# KiCad board issue1M_expansionboardA.kicad_pcb
title: fpga board expansion test; rev: 3
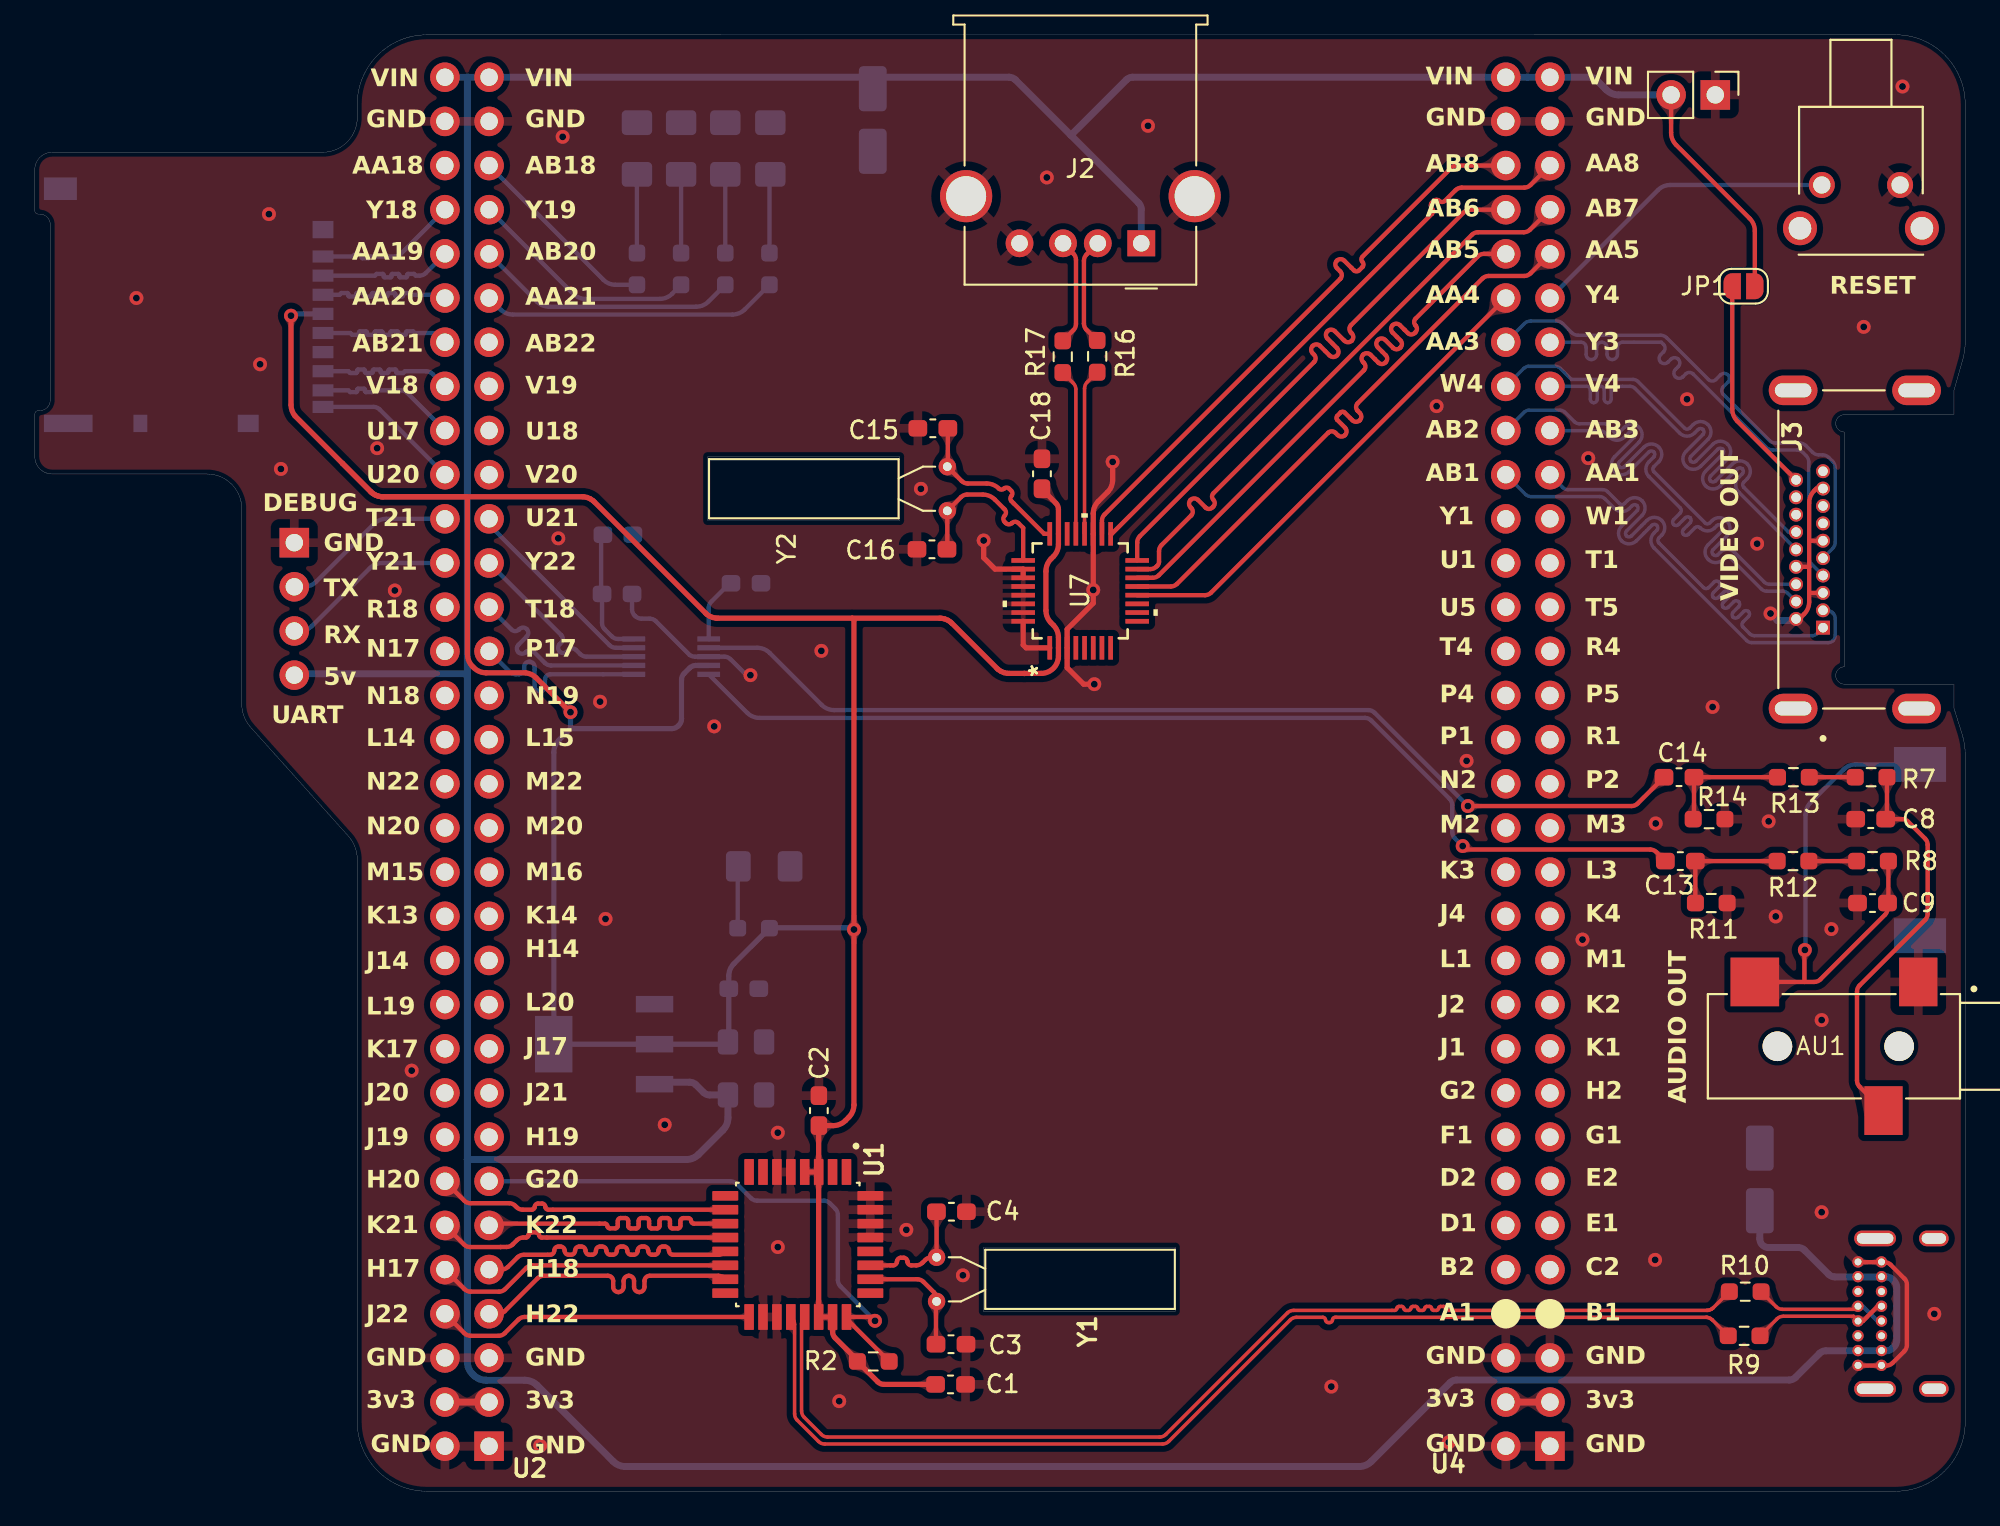
[diagram p0: board, top side]
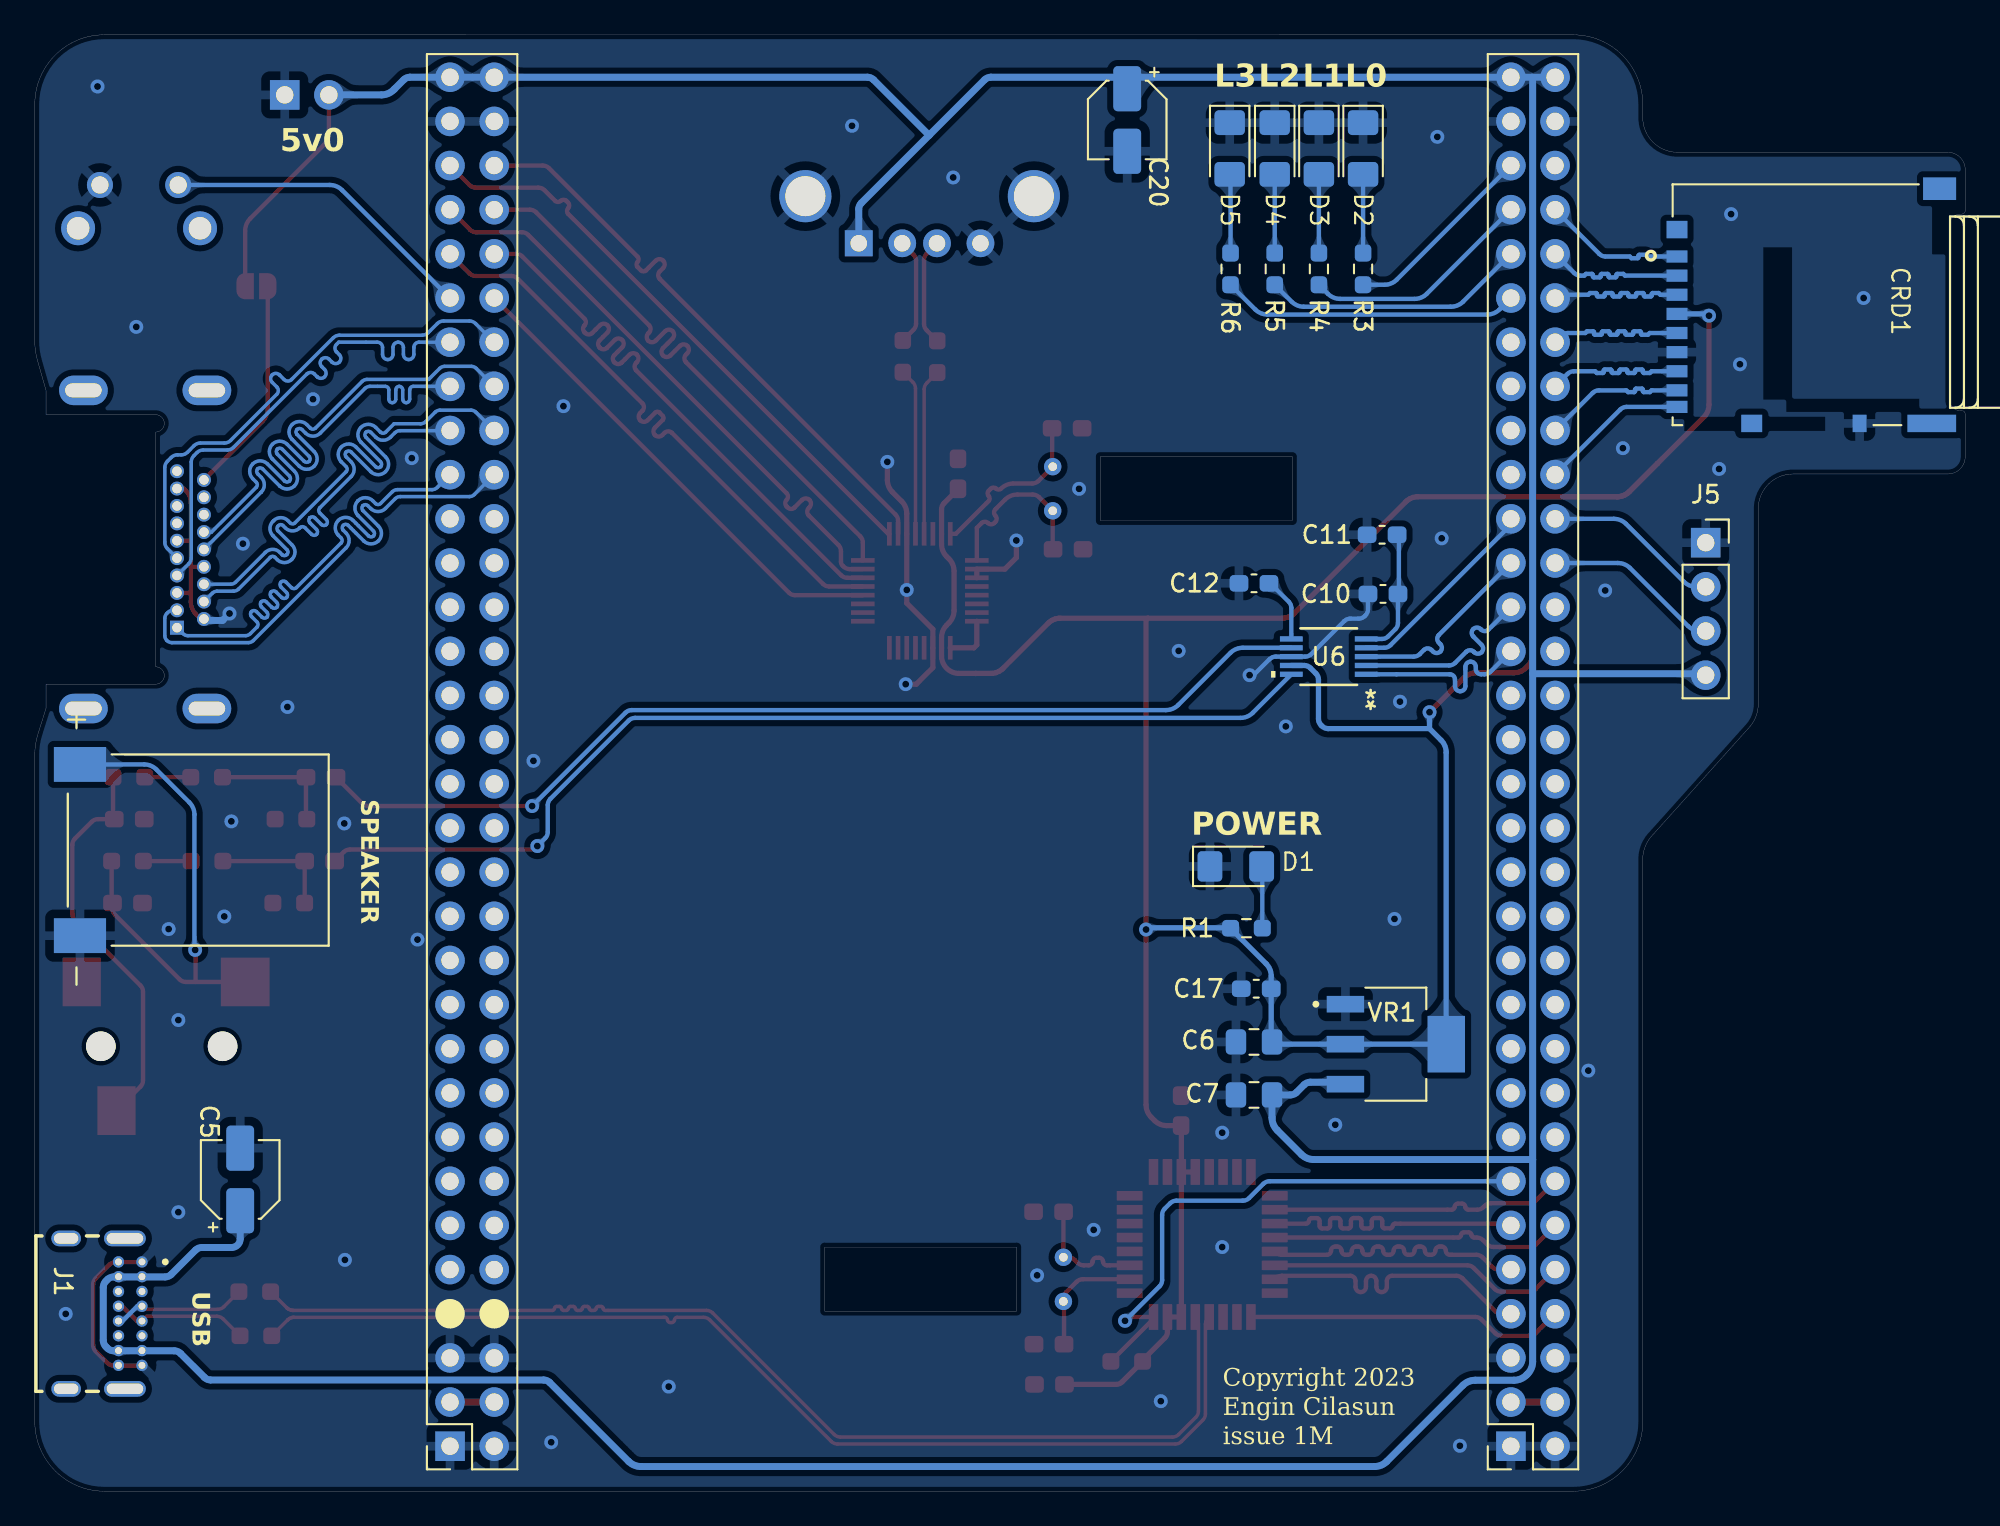
[diagram p1: board, bottom side, seen from below]

Outline 111 x 83.77 mm; copper layers: Top, Bottom. Coordinates in mm from the lower left corner of the outline.
Outline path: 49.73,55.83 38.68,55.83 38.68,59.51 49.73,59.51 closed ; 65.58,10.36 54.53,10.36 54.53,14.04 65.58,14.04 closed ; 110.35,63.33 110.84,65.04 arc(110.96,65.59) 111,66.14 111,79.77 arc(109.83,82.6) 107,83.77 22.54,83.77 arc(19.71,82.6) 18.54,79.77 18.54,79.01 arc(17.96,77.6) 16.54,77.01 1,77.01 arc(0.29,76.72) 0,76.01 0,73.65 arc(0.06,73.51) 0.2,73.45 0.29,73.45 arc(0.71,73.28) 0.89,72.85 0.89,62.75 arc(0.71,62.33) 0.29,62.15 0.2,62.15 arc(0.06,62.09) 0,61.95 0,59.51 arc(0.29,58.8) 1,58.51 9.9,58.51 arc(11.32,57.92) 11.9,56.51 11.9,45.27 arc(12.03,44.56) 12.41,43.94 17.97,37.75 arc(18.39,37.11) 18.54,36.35 18.54,4 arc(19.71,1.17) 22.54,0 107,0 arc(109.83,1.17) 111,4 111,42.36 arc(110.95,42.97) 110.81,43.56 110.35,45.03
Stack: Top 0.035mm / dielectric 1.51mm FR4 er 4.5 / Bottom 0.035mm

## Placement (name value [footprint] x y rotation side)
AU1  SJ-3523-SMT-TR  [CUI_SJ-3523-SMT-TR]  107.2 25.59 180 top
C1  1uf  [C_0603_1608Metric_Pad1.08x0.95mm_HandSolder]  52.65 6.14 180 top
C2  0.1uf  [C_0603_1608Metric_Pad1.08x0.95mm_HandSolder]  45.09 21.89 270 top
C3  18pf  [C_0603_1608Metric_Pad1.08x0.95mm_HandSolder]  52.68 8.46 180 top
C4  18pf  [C_0603_1608Metric_Pad1.08x0.95mm_HandSolder]  52.71 16.08 180 top
C5  4.7uf  [CP_Elec_4x5.4]  99.19 17.93 90 bottom
C6  10uf  [C_0805_2012Metric_Pad1.18x1.45mm_HandSolder]  40.89 25.84 0 bottom
C7  10uf  [C_0805_2012Metric_Pad1.18x1.45mm_HandSolder]  40.89 22.79 0 bottom
C8  1uf  [C_0603_1608Metric_Pad1.08x0.95mm_HandSolder]  105.56 38.66 0 top
C9  1uf  [C_0603_1608Metric_Pad1.08x0.95mm_HandSolder]  105.67 33.83 180 top
C10  0.1uf  [C_0603_1608Metric_Pad1.08x0.95mm_HandSolder]  33.48 51.61 0 bottom
C11  3.3uf  [C_0603_1608Metric_Pad1.08x0.95mm_HandSolder]  33.53 55.01 0 bottom
C12  10uf  [C_0603_1608Metric_Pad1.08x0.95mm_HandSolder]  40.9 52.22 0 bottom
C13  3.3uf  [C_0603_1608Metric_Pad1.08x0.95mm_HandSolder]  94.62 36.24 0 top
C14  3.3uf  [C_0603_1608Metric_Pad1.08x0.95mm_HandSolder]  94.54 41.07 0 top
C15  18pf  [C_0603_1608Metric_Pad1.08x0.95mm_HandSolder]  51.64 61.14 0 top
C16  18pf  [C_0603_1608Metric_Pad1.08x0.95mm_HandSolder]  51.59 54.18 0 top
C17  1uf  [C_0603_1608Metric_Pad1.08x0.95mm_HandSolder]  40.77 28.9 180 bottom
C18  0.1uf  [C_0603_1608Metric_Pad1.08x0.95mm_HandSolder]  57.91 58.52 270 top
C20  4.7uf  [CP_Elec_4x5.4]  48.18 78.87 270 bottom
CRD1  DM3AT-SF-PEJM5  [HRS_DM3AT-SF-PEJM5]  16.57 67.82 90 bottom
D1  LED  [LED_1206_3216Metric_Pad1.42x1.75mm_HandSolder]  41.94 35.94 180 bottom
D2  LED  [LED_1206_3216Metric_Pad1.42x1.75mm_HandSolder]  34.62 77.23 270 bottom
D3  LED  [LED_1206_3216Metric_Pad1.42x1.75mm_HandSolder]  37.16 77.23 270 bottom
D4  LED  [LED_1206_3216Metric_Pad1.42x1.75mm_HandSolder]  39.7 77.23 270 bottom
D5  LED  [LED_1206_3216Metric_Pad1.42x1.75mm_HandSolder]  42.29 77.23 270 bottom
J1  USB_C_Receptacle  [GCT_USB4085-GF-A_REVA4]  109.19 10.22 270 bottom
J2  USB_A_Stacked  [USB_A_Molex_67643_Horizontal]  63.62 71.78 180 top
J3  HDMI_A  [CUI_HD02-19-M-MSMT-TR]  102.82 49.67 90 top
J4  FAN  [PinHeader_1x02_P2.54mm_Vertical]  96.63 80.31 270 top
J5  DEBUG  [PinSocket_1x04_P2.54mm_Vertical]  14.92 54.56 180 bottom
JP1  Jumper_2_Open  [SolderJumper-2_P1.3mm_Open_RoundedPad1.0x1.5mm]  98.25 69.31 0 top
LSRIGHT1  AS01508MS-SC11-WP-R  [SPKR_AS01508MS-SC11-WP-R]  101.6 36.88 270 bottom
R1  330Ohm  [R_0603_1608Metric_Pad0.98x0.95mm_HandSolder]  41.33 32.38 180 bottom
R2  10KOhm  [R_0603_1608Metric_Pad0.98x0.95mm_HandSolder]  48.21 7.47 0 top
R3  33Ohm  [R_0603_1608Metric_Pad0.98x0.95mm_HandSolder]  34.62 70.3 90 bottom
R4  33Ohm  [R_0603_1608Metric_Pad0.98x0.95mm_HandSolder]  37.16 70.3 90 bottom
R5  33Ohm  [R_0603_1608Metric_Pad0.98x0.95mm_HandSolder]  39.7 70.3 90 bottom
R6  33Ohm  [R_0603_1608Metric_Pad0.98x0.95mm_HandSolder]  42.24 70.3 90 bottom
R7  33Ohm  [R_0603_1608Metric_Pad0.98x0.95mm_HandSolder]  105.59 41.07 0 top
R8  33Ohm  [R_0603_1608Metric_Pad0.98x0.95mm_HandSolder]  105.67 36.24 0 top
R9  33Ohm  [R_0603_1608Metric_Pad0.98x0.95mm_HandSolder]  98.29 8.94 180 top
R10  33Ohm  [R_0603_1608Metric_Pad0.98x0.95mm_HandSolder]  98.35 11.48 180 top
R11  10KOhm  [R_0603_1608Metric_Pad0.98x0.95mm_HandSolder]  96.4 33.83 0 top
R12  470Ohm  [R_0603_1608Metric_Pad0.98x0.95mm_HandSolder]  101.09 36.24 0 top
R13  470Ohm  [R_0603_1608Metric_Pad0.98x0.95mm_HandSolder]  101.12 41.07 0 top
R14  10KOhm  [R_0603_1608Metric_Pad0.98x0.95mm_HandSolder]  96.27 38.66 0 top
R16  33Ohm  [R_0603_1608Metric_Pad0.98x0.95mm_HandSolder]  59.11 65.25 270 top
R17  33Ohm  [R_0603_1608Metric_Pad0.98x0.95mm_HandSolder]  61.09 65.28 270 top
RESETN1  SW_Push  [SW_1-1825027-1]  105 75.13 180 top
U1  MAX3420EECJ  [QFP80P900X900X160-32N]  43.87 14.19 270 top
U2  GPIO_U2  [PinSocket_2x32_P2.54mm_Vertical]  26.12 2.59 0 bottom
U4  GPIO_U4  [PinSocket_2x32_P2.54mm_Vertical#2]  87.12 2.59 0 bottom
U6  CS4344-CZZR  [CIR_3TSSOP-10]  36.6 48 0 bottom
U7  MAX3421EEHJ+T  [21-0110-C_90-0149-32L_MXM]  60.11 51.79 90 top
VR1  LM1117MPX-3.3/NOPB  [VREG_LM1117MPX-3.3_NOPB]  32.74 25.71 180 bottom
Y1  Crystal  [Crystal_AT310_D3.0mm_L10.0mm_Horizontal]  51.85 10.92 90 top
Y2  Crystal  [Crystal_AT310_D3.0mm_L10.0mm_Horizontal]  52.47 58.93 270 top

## Library data of the parts
AU1 = -: MF: CUI Inc; STANDARD: Manufacturer recommendations
C1-C4 C6-C10 C15-C18 = -: Description: Unpolarized capacitor
C5 C20 = -: Description: Polarized capacitor, small US symbol
C11-C14 = -: Description: Polarized capacitor, US symbol
CRD1 = -: AVAILABILITY: Unavailable; DESCRIPTION: DM3 RA SMT microSD memory card push/push; MF: Hirose; PACKAGE: None; PRICE: None
D1-D5 = -: Description: Light emitting diode
J1 = -: Description: USB Full-Featured Type-C Receptacle connector
J2 = -: Description: USB Type A connector
J3 = -: Description: HDMI type A connector
J4 = -: Description: Generic connector, single row, 01x02, script generated (kicad-library-utils/schlib/autogen/connector/)
J5 = -: Description: Generic connector, single row, 01x04, script generated
JP1 = -: Description: Jumper, 2-pole, open
LSRIGHT1 = -: MANUFACTURER: Pui Audio; MAXIMUM_PACKAGE_HEIGHT: 3.7 mm; PARTREV: 11/20/2017; STANDARD: Manufacturer Recommendations
R1-R14 R16 R17 = -: Description: Resistor
RESETN1 = -: MANUFACTURER: TE Connectivity; PARTREV: G4; STANDARD: Manufacturer Recommednation
U1 = -: AVAILABILITY: Unavailable; DESCRIPTION: Usb Peripheral Controller w/Spi Interfac; MF: Maxim Integrated; PACKAGE: LQFP-32 Maxim; PRICE: None
U2 U4 = -: Description: Generic connector, double row, 02x32, odd/even pin numbering scheme (row 1 odd numbers, row 2 even numbers), script generated (kicad-library-utils/schlib/autogen/connector/)
VR1 = -: MANUFACTURER: Texas Instruments; MAXIMUM_PACKAGE_HEIGHT: 1.80 mm; PARTREV: O; STANDARD: Manufacturer Recommendation
Y1 Y2 = -: Description: Two pin crystal

## Footprints (pads in the part's own frame, mm; a bottom-side part is the same pattern mirrored in y, then rotated)
21-0110-C_90-0149-32L_MXM
  rect 1.356x0.27 smd: 1(-3.278,1.75) 2(-3.278,1.25) 3(-3.278,0.75) 4(-3.278,0.25) 5(-3.278,-0.25) 6(-3.278,-0.75) 7(-3.278,-1.25) 8(-3.278,-1.75) 17(3.278,-1.75) 18(3.278,-1.25) 19(3.278,-0.75) 20(3.278,-0.25) 21(3.278,0.25) 22(3.278,0.75) 23(3.278,1.25) 24(3.278,1.75)
  rect 0.27x1.356 smd: 9(-1.75,-3.278) 10(-1.25,-3.278) 11(-0.75,-3.278) 12(-0.25,-3.278) 13(0.25,-3.278) 14(0.75,-3.278) 15(1.25,-3.278) 16(1.75,-3.278) 25(1.75,3.278) 26(1.25,3.278) 27(0.75,3.278) 28(0.25,3.278) 29(-0.25,3.278) 30(-0.75,3.278) 31(-1.25,3.278) 32(-1.75,3.278)
C_0603_1608Metric_Pad1.08x0.95mm_HandSolder
  rrect 1.075x0.95 smd: 1(-0.863,0) 2(0.863,0)
C_0805_2012Metric_Pad1.18x1.45mm_HandSolder
  rrect 1.175x1.45 smd: 1(-1.038,0) 2(1.038,0)
CIR_3TSSOP-10
  rect 1.308x0.305 smd: 1(-2.153,1.016) 2(-2.153,0.508) 3(-2.153,0) 4(-2.153,-0.508) 5(-2.153,-1.016) 6(2.153,-1.016) 7(2.153,-0.508) 8(2.153,0) 9(2.153,0.508) 10(2.153,1.016)
CP_Elec_4x5.4
  rrect 2.6x1.6 smd: 1(-1.8,0) 2(1.8,0)
Crystal_AT310_D3.0mm_L10.0mm_Horizontal
  round 1 hole 0.5: 1(0,0) 2(2.54,0)
CUI_HD02-19-M-MSMT-TR
  rect 0.8x0.8 hole 0.55: 1(0,0)
  round 0.8 hole 0.55: 2(0.5,1.55) 3(1,0) 4(1.5,1.55) 5(2,0) 6(2.5,1.55) 7(3,0) 8(3.5,1.55) 9(4,0) 10(4.5,1.55) 11(5,0) 12(5.5,1.55) 13(6,0) 14(6.5,1.55) 15(7,0) 16(7.5,1.55) 17(8,0) 18(8.5,1.55) 19(9,0)
  oval 1.7x2.8 hole 0.8x2.1: S1(13.65,1.72) S2(-4.65,1.72) S3(-4.65,-5.38) S4(13.65,-5.38)
CUI_SJ-3523-SMT-TR
  round 1.7 hole 1.7 unplated: (0,0) (7,0)
  rect 2.2x2.8 smd: 1(-1.1,-3.7) 3(0.9,3.7)
  rect 2.8x2.8 smd: 2(8.3,-3.7)
GCT_USB4085-GF-A_REVA4
  round 0.65 hole 0.4: A1(-2.975,4.36) A4(-2.125,4.36) A5(-1.275,4.36) A6(-0.425,4.36) A7(0.425,4.36) A8(1.275,4.36) A9(2.125,4.36) A12(2.975,4.36) B1(2.975,3.01) B4(2.125,3.01) B5(1.275,3.01) B6(0.425,3.01) B7(-0.425,3.01) B8(-1.275,3.01) B9(-2.125,3.01) B12(-2.975,3.01)
  oval 0.9x1.7 hole 0.6x1.4: S1(-4.325,0) S2(4.325,0)
  oval 0.9x2.4 hole 0.6x2.1: S3(-4.325,3.38) S4(4.325,3.38)
HRS_DM3AT-SF-PEJM5
  rect 0.7x1.2 smd: 1(3.2,0) 2(2.1,0) 3(1,0) 4(-0.1,0) 5(-1.2,0) 6(-2.3,0) 7(-3.4,0) 8(-4.5,0) SWB(-5.45,0)
  rect 1x1.2 smd: P1(-6.4,-4.3) P4(4.75,0)
  rect 1x2.8 smd: P2(-6.4,-14.65)
  rect 1.3x1.9 smd: P3(7.1,-15.1)
  rect 1x0.8 smd: SWA(-6.4,-10.5)
LED_1206_3216Metric_Pad1.42x1.75mm_HandSolder
  rrect 1.425x1.75 smd: 1(-1.488,0) 2(1.488,0)
PinHeader_1x02_P2.54mm_Vertical
  rect 1.7x1.7 hole 1: 1(0,0)
  oval 1.7x1.7 hole 1: 2(0,-2.54)
PinSocket_1x04_P2.54mm_Vertical
  rect 1.7x1.7 hole 1: 1(0,0)
  oval 1.7x1.7 hole 1: 2(0,-2.54) 3(0,-5.08) 4(0,-7.62)
PinSocket_2x32_P2.54mm_Vertical
  rect 1.7x1.7 hole 1: 1(0,0)
  oval 1.7x1.7 hole 1: 2(-2.54,0) 3(0,-2.54) 4(-2.54,-2.54) 5(0,-5.08) 6(-2.54,-5.08) 7(0,-7.62) 8(-2.54,-7.62) 9(0,-10.16) 10(-2.54,-10.16) 11(0,-12.7) 12(-2.54,-12.7) 13(0,-15.24) 14(-2.54,-15.24) 15(0,-17.78) 16(-2.54,-17.78) 17(0,-20.32) 18(-2.54,-20.32) 19(0,-22.86) 20(-2.54,-22.86) 21(0,-25.4) 22(-2.54,-25.4) 23(0,-27.94) 24(-2.54,-27.94) 25(0,-30.48) 26(-2.54,-30.48) 27(0,-33.02) 28(-2.54,-33.02) 29(0,-35.56) 30(-2.54,-35.56) 31(0,-38.1) 32(-2.54,-38.1) 33(0,-40.64) 34(-2.54,-40.64) 35(0,-43.18) 36(-2.54,-43.18) 37(0,-45.72) 38(-2.54,-45.72) 39(0,-48.26) 40(-2.54,-48.26) 41(0,-50.8) 42(-2.54,-50.8) 43(0,-53.34) 44(-2.54,-53.34) 45(0,-55.88) 46(-2.54,-55.88) 47(0,-58.42) 48(-2.54,-58.42) 49(0,-60.96) 50(-2.54,-60.96) 51(0,-63.5) 52(-2.54,-63.5) 53(0,-66.04) 54(-2.54,-66.04) 55(0,-68.58) 56(-2.54,-68.58) 57(0,-71.12) 58(-2.54,-71.12) 59(0,-73.66) 60(-2.54,-73.66) 61(0,-76.2) 62(-2.54,-76.2) 63(0,-78.74) 64(-2.54,-78.74)
PinSocket_2x32_P2.54mm_Vertical#2
  oval 1.7x1.7 smd: (-2.54,-7.62) (0,-7.62)
  rect 1.7x1.7 hole 1: 1(0,0)
  oval 1.7x1.7 hole 1: 2(-2.54,0) 3(0,-2.54) 4(-2.54,-2.54) 5(0,-5.08) 6(-2.54,-5.08) 9(0,-10.16) 10(-2.54,-10.16) 11(0,-12.7) 12(-2.54,-12.7) 13(0,-15.24) 14(-2.54,-15.24) 15(0,-17.78) 16(-2.54,-17.78) 17(0,-20.32) 18(-2.54,-20.32) 19(0,-22.86) 20(-2.54,-22.86) 21(0,-25.4) 22(-2.54,-25.4) 23(0,-27.94) 24(-2.54,-27.94) 25(0,-30.48) 26(-2.54,-30.48) 27(0,-33.02) 28(-2.54,-33.02) 29(0,-35.56) 30(-2.54,-35.56) 31(0,-38.1) 32(-2.54,-38.1) 33(0,-40.64) 34(-2.54,-40.64) 35(0,-43.18) 36(-2.54,-43.18) 37(0,-45.72) 38(-2.54,-45.72) 39(0,-48.26) 40(-2.54,-48.26) 41(0,-50.8) 42(-2.54,-50.8) 43(0,-53.34) 44(-2.54,-53.34) 45(0,-55.88) 46(-2.54,-55.88) 47(0,-58.42) 48(-2.54,-58.42) 49(0,-60.96) 50(-2.54,-60.96) 51(0,-63.5) 52(-2.54,-63.5) 53(0,-66.04) 54(-2.54,-66.04) 55(0,-68.58) 56(-2.54,-68.58) 57(0,-71.12) 58(-2.54,-71.12) 59(0,-73.66) 60(-2.54,-73.66) 61(0,-76.2) 62(-2.54,-76.2) 63(0,-78.74) 64(-2.54,-78.74)
QFP80P900X900X160-32N
  rrect 1.49x0.55 smd: 1(-4.17,2.8) 2(-4.17,2) 3(-4.17,1.2) 4(-4.17,0.4) 5(-4.17,-0.4) 6(-4.17,-1.2) 7(-4.17,-2) 8(-4.17,-2.8) 17(4.17,-2.8) 18(4.17,-2) 19(4.17,-1.2) 20(4.17,-0.4) 21(4.17,0.4) 22(4.17,1.2) 23(4.17,2) 24(4.17,2.8)
  rrect 0.55x1.49 smd: 9(-2.8,-4.17) 10(-2,-4.17) 11(-1.2,-4.17) 12(-0.4,-4.17) 13(0.4,-4.17) 14(1.2,-4.17) 15(2,-4.17) 16(2.8,-4.17) 25(2.8,4.17) 26(2,4.17) 27(1.2,4.17) 28(0.4,4.17) 29(-0.4,4.17) 30(-1.2,4.17) 31(-2,4.17) 32(-2.8,4.17)
R_0603_1608Metric_Pad0.98x0.95mm_HandSolder
  rrect 0.975x0.95 smd: 1(-0.912,0) 2(0.912,0)
SolderJumper-2_P1.3mm_Open_RoundedPad1.0x1.5mm
  custom 1x0.5 smd: 1(-0.65,0) 2(0.65,0)
SPKR_AS01508MS-SC11-WP-R
  rect 2x3 smd: N(4.925,-6.8) P(-4.925,-6.8)
SW_1-1825027-1
  round 1.498 hole 0.99: 1(-2.25,0) 2(2.25,0)
  round 1.95 hole 1.3: S1(-3.505,2.49) S2(3.505,2.49)
USB_A_Molex_67643_Horizontal
  rect 1.6x1.5 hole 0.95: 1(0,0)
  round 1.6 hole 0.95: 2(2.5,0) 3(4.5,0) 4(7,0)
  round 3 hole 2.3: 5(-3.07,-2.71) 5(10.07,-2.71)
VREG_LM1117MPX-3.3_NOPB
  rect 2.15x0.95 smd: 1(-2.9,2.3) 2(-2.9,0) 3(-2.9,-2.3)
  rect 2.15x3.25 smd: 4(2.9,0)

## Nets
3V3: U2.3 U2.4
5V: C5.1 C7.1 C20.1 J1.A4 J1.A9 J1.B4 J1.B9 J2.1 J4.2 J5.4 JP1.2 U2.63 U2.64 U4.63 U4.64 VR1.3
GND: AU1.1 C1.1 C2.1 C3.1 C4.1 C5.2 C6.2 C7.2 C8.1 C9.2 C10.2 C11.2 C12.2 C15.1 C16.1 C17.1 C18.1 C20.2 CRD1.6 CRD1.SWA D1.1 D2.1 D3.1 D4.1 D5.1 J1.A1 J1.A12 J1.B1 J1.B12 J2.4 J2.5 J3.2 J3.5 J3.8 J3.11 J3.17 J4.1 J5.1 LSRIGHT1.N R11.2 R14.2 RESETN1.1 U1.5 U1.6 U1.18 U1.19 U1.29 U1.30 U1.31 U1.32 U2.1 U2.2 U2.5 U2.6 U2.61 U2.62 U4.1 U4.2 U4.5 U4.6 U4.61 U4.62 U6.8 U7.1 U7.3 U7.19 U7.26 U7.27 U7.28 U7.29 U7.30 U7.31 U7.32 VR1.1
VCC: U4.3 U4.4
/AL: C14.1 U6.7
/AR: C13.1 U6.10
/speakerout: AU1.2 C9.1 LSRIGHT1.P R8.2
AU_LRCLK: U2.41 U6.3
AU_MCLK: U2.43 U6.4
AU_SCLK: U2.39 U6.2
AU_SDIN: U2.37 U6.1
CK_N: J3.12 U4.50
CK_P: J3.10 U4.49
D0_N: J3.9 U4.52
D0_P: J3.7 U4.51
D1_N: J3.6 U4.48
D1_P: J3.4 U4.47
D2_N: J3.3 U4.46
D2_P: J3.1 U4.45
GPI: R2.2 U1.24 U2.13
INT: U1.17 U2.8
LED0: R3.1 U2.59
LED1: R4.1 U2.57
LED2: R5.1 U2.55
LED3: R6.1 U2.53
LEFTOUT: R7.1 R13.2
REG3V3: C1.2 C2.2 C6.1 C17.2 C18.2 CRD1.4 R1.1 R2.1 U1.3 U1.4 U1.22 U1.23 U6.9 U7.2 U7.23 VR1.2 VR1.4
RIGHTOUT: R8.1 R12.2
RSTN: RESETN1.2 U4.53
SDCLK: CRD1.5 U2.52
SDCMD: CRD1.3 U2.54
SDDAT0: CRD1.7 U2.50
SDDAT1: CRD1.8 U2.48
SDDAT2: CRD1.1 U2.58
SDDAT3: CRD1.2 U2.56
SDSWTCH: CRD1.SWB U2.46
UARTRX: J5.2 U2.44
UARTTX: J5.3 U2.42
USBD1_N: R17.2 U7.20
USBD1_P: R16.2 U7.21
USBD_N: R9.2 U1.20
USBD_P: R10.2 U1.21
USBGPX: U1.15 U2.7
USBHCSN: U4.56 U7.14
USBHGPX: U4.59 U7.17
USBHINT: U4.60 U7.18
USBHMISO: U4.57 U7.15
USBHMOSI: U4.58 U7.16
USBHRES: U4.54 U7.12
USBHSCLK: U4.55 U7.13
USBMISO: U1.13 U2.9
USBMOSI: U1.14 U2.10
USBRES: U1.10 U2.14
USBSCLK: U1.11 U2.11
USBSS: U1.12 U2.12
Net-(AU1-Pad3): AU1.3 C8.2 R7.2
Net-(C13-Pad2): C13.2 R11.1 R12.1
Net-(C14-Pad2): C14.2 R13.1 R14.1
Net-(CRD1-SHIELD-PadP1): CRD1.P1 CRD1.P2 CRD1.P3 CRD1.P4
Net-(D1-A): D1.2 R1.2
Net-(D2-A): D2.2 R3.2
Net-(D3-A): D3.2 R4.2
Net-(D4-A): D4.2 R5.2
Net-(D5-A): D5.2 R6.2
Net-(J1-D+-PadA6): J1.A6 J1.B6 R10.1
Net-(J1-D--PadA7): J1.A7 J1.B7 R9.1
Net-(J2-D+): J2.3 R16.1
Net-(J2-D-): J2.2 R17.1
Net-(J3-+5V): J3.18 JP1.1
Net-(U1-XI): C3.2 U1.26 Y1.1
Net-(U1-XO): C4.2 U1.27 Y1.2
Net-(U6-FILT+): C12.1 U6.6
Net-(U6-VQ): C10.1 C11.1 U6.5
Net-(U7-XI): C15.2 U7.24 Y2.1
Net-(U7-XO): C16.2 U7.25 Y2.2

Pads without a net: J1 A5 A8 B5 B8 S1 S2 S3 S4; J3 13 14 15 16 19 S1 S2 S3 S4; RESETN1 S1 S2; U1 1 2 7 8 9 16 25 28; U2 15 16 17 18 19 20 21 22 23 24 25 26 27 28 29 30 31 32 33 34 35 36 38 40 45 47 49 51 60; U4 9 10 11 12 13 14 15 16 17 18 19 20 21 22 23 24 25 26 27 28 29 30 31 32 33 34 35 36 37 38 39 40 41 42 43 44; U7 4 5 6 7 8 9 10 11 22

## Via types
v1: diameter 0.8, hole 0.4, Top to Bottom, 55 vias
